# Altium PCB Bran_Main_Assay_PCB_v2.PcbDoc (part 5 of 15) (continued)
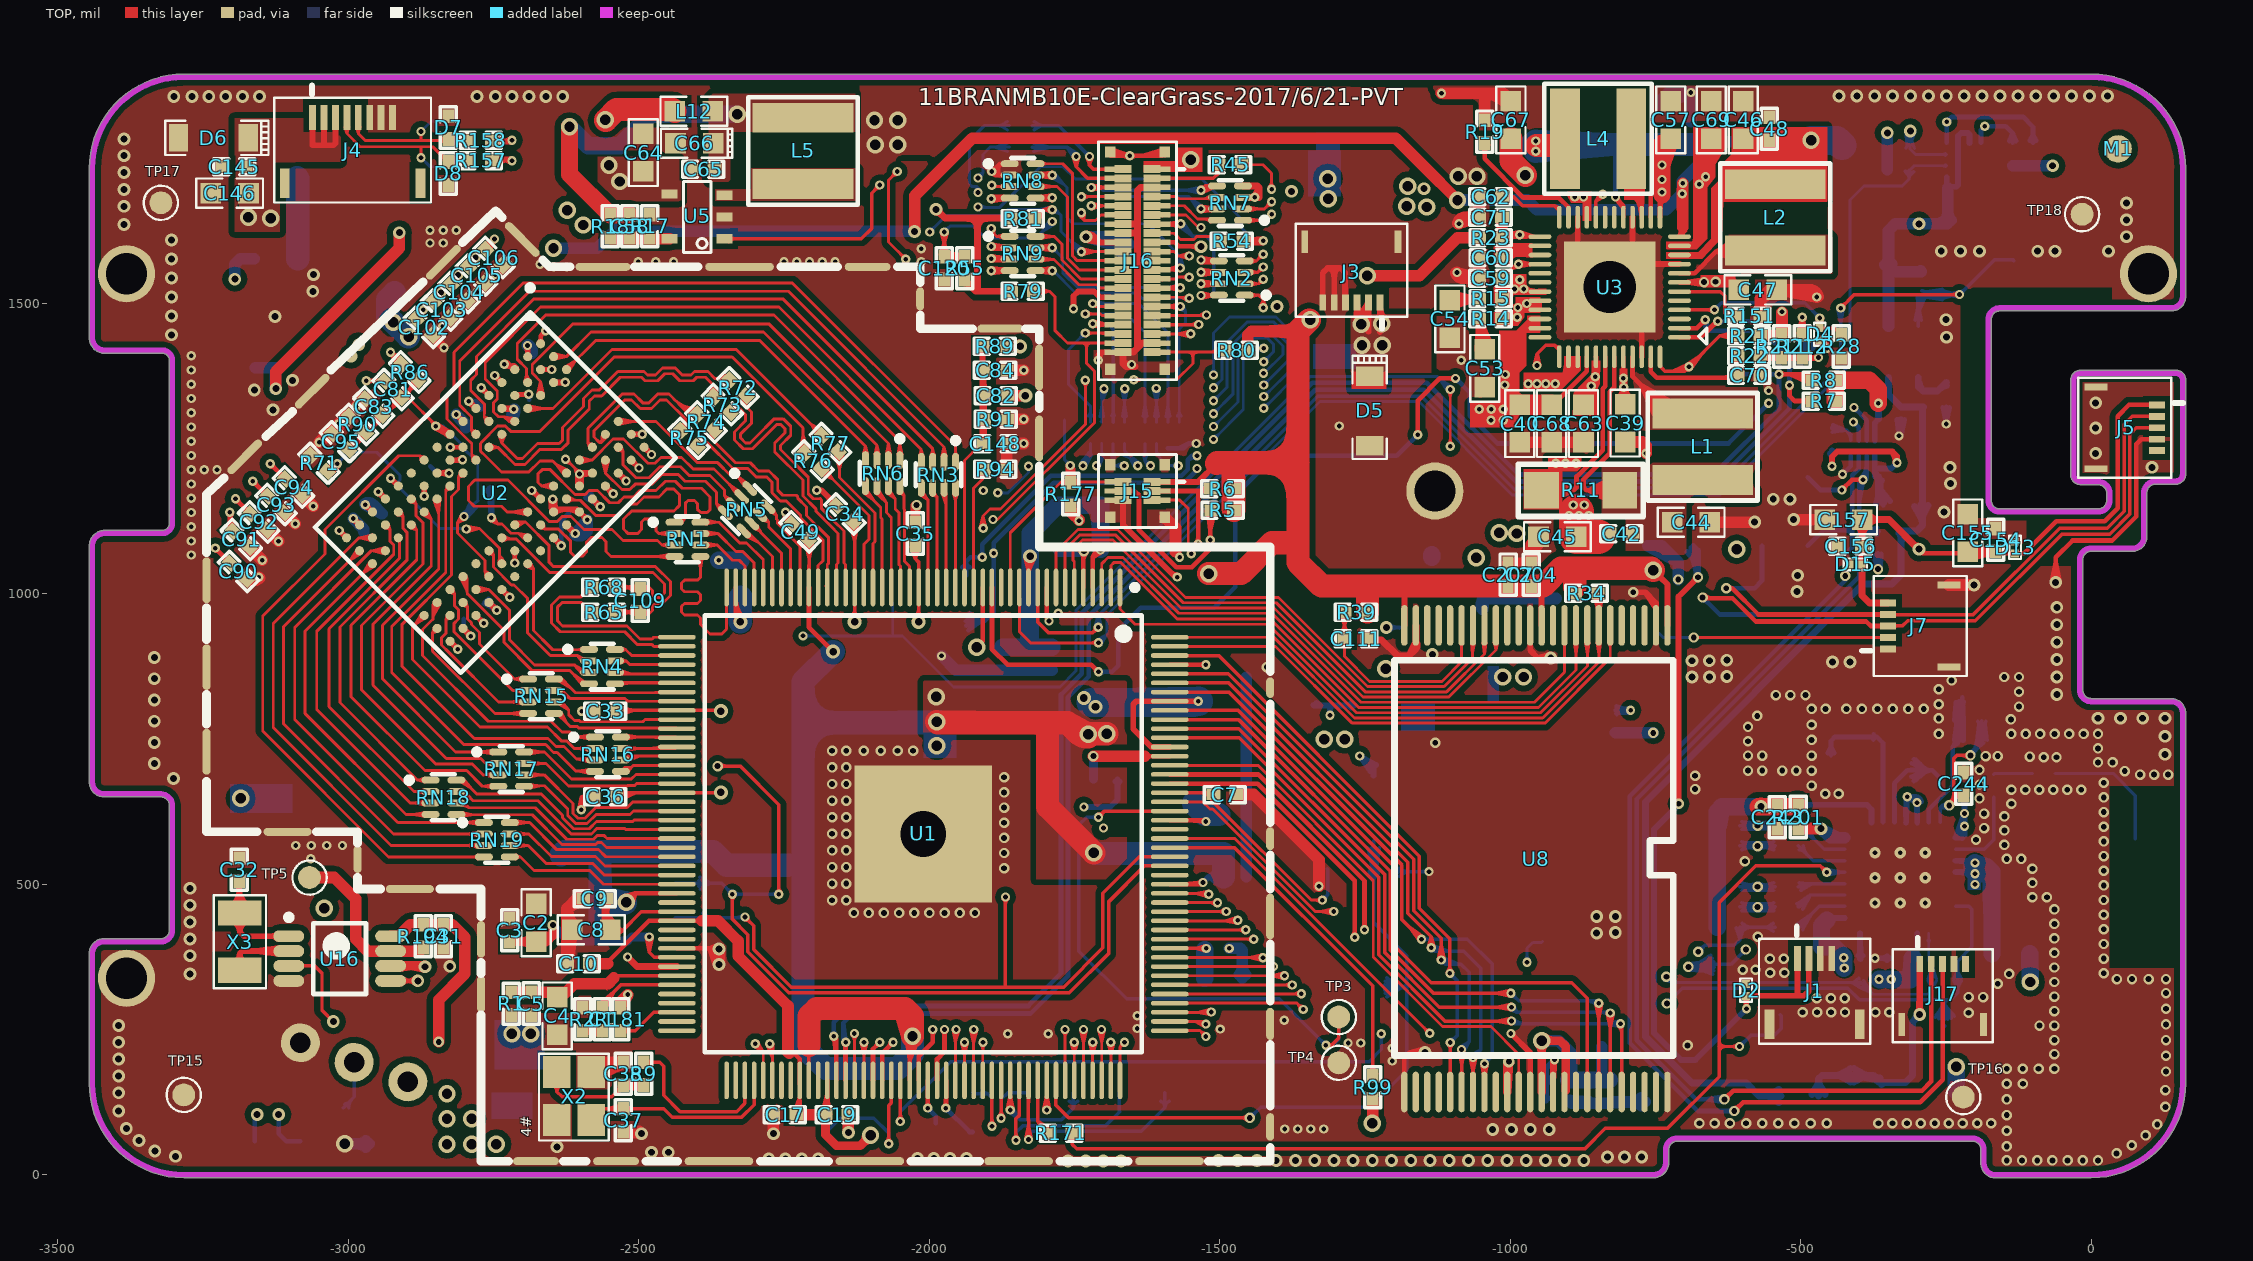
[diagram p0: TOP view]
## Nets (pads, with @x,y where several pads share a name; then routed paths per layer and width w, separated by ;. In a path a pad name is that pad's centre, name@x,y a point inside that pad or via, vN(x,y) a via of type N, cw(c..) or ccw(c..) an arc to the next point about the centre after c; other vN are vias at no path point) (continued)
  TOP w5.53: U2.G8@-2648.07,1143.07 U2.G8@-2646.84,1141.14
  TOP w6: v1@-2603.98,628.87 -2599.02,650.46 ; v1@-2603.88,629.48 -2599.43,637.25 ; v1@-2603.75,629.92 -2598.6,637.25 ; v1@-2602.55,631.84 ccw(c-2611.09,640.38) -2599.02,640.38 ccw(c-2586.94,640.38) v1@-2595.48,631.84 ; v1@-2599.68,792.94 C33.1@-2582.31,791.8 ; v1@-2599.66,792.93 C33.1@-2582.64,791.95 ; v1@-2598.67,802.83 C33.1@-2588.06,800.38 ; v1@-2598.35,792.84 C33.1@-2588.06,795.96 ; v1@-2598.06,802.79 C33.1@-2580.2,798.17 ; v1@-2597.58,802.71 -2590.23,798.54 ; v1@-2597.38,792.99 C33.1@-2589.17,797.72 ; v1@-2597.27,802.63 C33.1@-2589.17,797.72 ; v1@-2596.77,793.19 -2590.23,798.54 ; v1@-2596.66,802.41 C33.1@-2588.06,795.96 ; v1@-2596.39,793.37 C33.1@-2588.06,800.38 ; v1@-2596.29,802.24 C33.1@-2581.63,791.58 ; v1@-2596.23,793.45 C33.1@-2580.52,804.98 ; v1@-2595.52,801.73 ccw(c-2590.57,807.93) -2588.51,800.26 ccw(c-2586.22,791.73) v1@-2594.16,795.62 ; v1@-2595.11,794.29 cw(c-2585.74,784.92) C33.1@-2585.74,798.17 ; v1@-2595.11,801.36 ccw(c-2587.41,809.07) C33.1@-2587.41,798.17 ; v1@-2594.74,794.7 cw(c-2590.9,791.62) -2589.63,796.38 cw(c-2587.76,803.32) v1@-2594.18,800.08 ; v1@-2594.28,629.92 -2599.43,637.25 ; v1@-2594.16,629.48 -2598.6,637.25 ; v1@-2594.05,628.87 -2599.02,650.46 ; C36.1@-2584.66,646.16 ccw(c-2596.34,634.48) -2596.34,651 ccw(c-2596.34,667.52) C36.1@-2584.66,655.84 ; C33.1@-2584.64,793.33 ccw(c-2596.32,781.65) -2596.32,798.17 ccw(c-2596.32,814.69) C33.1@-2584.64,803.01 ; C36.1@-2582.03,644.53 -2592.07,651.56 ; C36.1@-2582.03,657.48 -2592.07,650.44 ; C36.1@-2581.43,644.35 -2592.07,650.44 ; C36.1@-2581.43,657.65 -2592.07,651.56 ; C36.1@-2581.08,644.28 -2598.47,651 ; C36.1@-2581.08,657.73 -2598.47,651 ; C36.1@-2580.22,651 -2598.47,651 ; v1@-2599.89,802.67 C33.1@-2581.56,804.78 ; v1@-2599.89,802.67 C33.1@-2581.75,804.73 ; v1@-2599.88,802.67 C33.1@-2580.84,804.94 ; v1@-2599.88,802.67 C33.1@-2582.01,804.65 ; v1@-2599.89,802.67 C33.1@-2581.41,804.82 ; v1@-2599.88,802.67 C33.1@-2581.07,804.9 ; v1@-2599.86,802.68 C33.1@-2582.6,804.42 ; v1@-2599.87,802.68 C33.1@-2580.52,804.98 ; v1@-2599.86,802.68 C33.1@-2582.55,804.44 ; v1@-2599.71,792.94 C33.1@-2581.63,791.58 ; v1@-2599.7,792.94 C33.1@-2580.71,791.39 ; v1@-2599.71,792.94 C33.1@-2581.55,791.56 ; v1@-2599.7,792.94 C33.1@-2580.71,791.39 ; v1@-2599.71,792.94 C33.1@-2581.41,791.52 ; v1@-2599.7,792.94 C33.1@-2582.01,791.7 ; v1@-2599.71,792.94 C33.1@-2581.07,791.45 ; -2599.43,637.25 v1(-2599.02,628.31) ; v1(-2599.02,628.31) -2598.6,637.25 ; v1(-2599.02,628.31) -2599.02,650.46 ; -2599.02,650.46 -2598.47,651 ; v1(-2598.65,797.83) C33.1@-2579.8,798.17 ; v1(-2598.65,797.83) C33.1@-2581.56,804.78 ; v1(-2598.65,797.83) C33.1@-2581.63,791.58 ; v1(-2598.65,797.83) C33.1@-2579.8,798.17 ; v1(-2598.65,797.83) C33.1@-2582.6,804.42 ; v1(-2598.65,797.83) C33.1@-2580.71,791.39 ; v1(-2598.65,797.83) C33.1@-2579.8,798.17 ; v1(-2598.65,797.83) C33.1@-2580.52,804.98 ; v1(-2598.65,797.83) C33.1@-2582.64,791.95 ; v1(-2598.65,797.83) C33.1@-2579.8,798.17 ; v1(-2598.65,797.83) C33.1@-2581.75,804.73 ; v1(-2598.65,797.83) C33.1@-2581.55,791.56 ; v1(-2598.65,797.83) C33.1@-2579.8,798.17 ; v1(-2598.65,797.83) C33.1@-2580.84,804.94 ; v1(-2598.65,797.83) C33.1@-2582.31,791.8 ; v1(-2598.65,797.83) C33.1@-2579.8,798.17 ; v1(-2598.65,797.83) C33.1@-2582.55,804.44 ; v1(-2598.65,797.83) C33.1@-2580.71,791.39 ; v1(-2598.65,797.83) C33.1@-2579.8,798.17 ; v1(-2598.65,797.83) C33.1@-2582.01,804.65 ; v1(-2598.65,797.83) C33.1@-2581.41,791.52 ; v1(-2598.65,797.83) C33.1@-2579.8,798.17 ; v1(-2598.65,797.83) C33.1@-2581.41,804.82 ; v1(-2598.65,797.83) C33.1@-2582.01,791.7 ; v1(-2598.65,797.83) C33.1@-2579.8,798.17 ; v1(-2598.65,797.83) C33.1@-2581.07,804.9 ; v1(-2598.65,797.83) C33.1@-2581.07,791.45 ; v1(-2598.65,797.83) -2590.23,798.54 ; v1(-2598.65,797.83) C33.1@-2589.17,797.72 ; v1(-2598.65,797.83) C33.1@-2588.06,795.96 ; v1(-2598.65,797.83) C33.1@-2588.06,800.38 ; v1(-2598.65,797.83) C33.1@-2580.2,798.17 ; v1(-2598.65,797.83) v1@-2598.3,798.17 ; -2598.47,651 C36.1@-2579.82,651 ; v1@-2598.3,798.17 C33.1@-2579.8,798.17 ; v1@-2598.3,798.17 C33.1@-2581.07,804.9 ; v1@-2598.3,798.17 C33.1@-2581.07,791.45 ; v1@-2598.3,798.17 C33.1@-2580.2,798.17 ; v1@-2598.07,802.79 C33.1@-2579.8,798.17 ; v1@-2598.07,802.79 C33.1@-2579.8,798.17 ; v1@-2598.07,802.79 C33.1@-2579.8,798.17 ; v1@-2598.07,802.79 C33.1@-2579.8,798.17 ; v1@-2598.07,802.79 C33.1@-2579.8,798.17 ; v1@-2598.07,802.79 C33.1@-2579.8,798.17 ; v1@-2598.07,802.79 C33.1@-2579.8,798.17 ; v1@-2598.07,802.79 C33.1@-2579.8,798.17 ; v1@-2598.07,802.79 C33.1@-2579.8,798.17 ; v1@-2597.89,792.88 C33.1@-2579.8,798.17 ; v1@-2597.89,792.88 C33.1@-2579.8,798.17 ; v1@-2597.89,792.88 C33.1@-2579.8,798.17 ; v1@-2597.89,792.88 C33.1@-2579.8,798.17 ; v1@-2597.89,792.88 C33.1@-2579.8,798.17 ; v1@-2597.89,792.88 C33.1@-2579.8,798.17 ; v1@-2597.89,792.88 C33.1@-2579.8,798.17 ; v1@-2597.89,792.88 C33.1@-2579.8,798.17 ; v1@-2597.89,792.88 C33.1@-2579.8,798.17 ; v1@-2597.88,792.89 C33.1@-2580.2,798.17 ; v1@-2596.35,802.27 C33.1@-2580.71,791.39 ; v1@-2596.35,802.27 C33.1@-2580.71,791.39 ; v1@-2596.33,802.26 C33.1@-2581.07,791.45 ; v1@-2596.25,802.22 C33.1@-2582.64,791.95 ; v1@-2596.26,802.22 C33.1@-2582.31,791.8 ; v1@-2596.27,802.23 C33.1@-2582.01,791.7 ; v1@-2596.15,793.49 C33.1@-2581.56,804.78 ; v1@-2596.14,793.5 C33.1@-2581.75,804.73 ; v1@-2596.12,793.51 C33.1@-2582.01,804.65 ; v1@-2596.16,793.49 C33.1@-2581.41,804.82 ; v1@-2592.85,798.24 C33.1@-2579.8,798.17 ; v1@-2592.85,798.24 C33.1@-2581.56,804.78 ; v1@-2592.85,798.24 C33.1@-2581.63,791.58 ; v1@-2592.85,799.63 C33.1@-2579.8,798.17 ; v1@-2592.85,799.63 C33.1@-2580.84,804.94 ; v1@-2592.85,799.63 C33.1@-2582.31,791.8 ; v1@-2592.62,800.26 C33.1@-2579.8,798.17 ; v1@-2592.62,800.26 C33.1@-2580.52,804.98 ; v1@-2592.62,800.26 C33.1@-2582.64,791.95 ; v1@-2592.47,797.98 C33.1@-2579.8,798.17 ; v1@-2592.47,797.98 C33.1@-2581.75,804.73 ; v1@-2592.47,797.98 C33.1@-2581.55,791.56 ; v1@-2592.37,796.4 C33.1@-2579.8,798.17 ; v1@-2592.37,796.4 C33.1@-2582.55,804.44 ; v1@-2592.37,796.4 C33.1@-2580.71,791.39 ; v1@-2592.18,796.38 C33.1@-2579.8,798.17 ; v1@-2592.18,796.38 C33.1@-2582.6,804.42 ; v1@-2592.18,796.38 C33.1@-2580.71,791.39 ; -2592.07,650.44 C36.1@-2579.82,651 ; -2592.07,651.56 C36.1@-2579.82,651 ; v1@-2592.05,797.61 C33.1@-2579.8,798.17 ; v1@-2592.05,797.61 C33.1@-2582.01,804.65 ; v1@-2592.05,797.61 C33.1@-2581.41,791.52 ; v1@-2592.05,798.73 C33.1@-2579.8,798.17 ; v1@-2592.05,798.73 C33.1@-2581.41,804.82 ; v1@-2592.05,798.73 C33.1@-2582.01,791.7 ; C33.1@-2582.6,804.42 -2596.1,793.52 C33.1@-2582.55,804.44 ; C33.1@-2581.55,791.56 -2596.3,802.24 C33.1@-2581.41,791.52 ; C33.1@-2581.07,804.9 -2596.18,793.47 C33.1@-2580.84,804.94
  TOP w8: U1.79@-2434.64,390.07 -2378.69,390.07 ; U1.79@-2406.09,390.07 -2378.69,390.07 ; v3@-2368.7,363.82 v3@-2361.04,378.77 ; v3@-2368.41,364.69 v3@-2356.07,385.19 ; v3@-2368.31,359.07 -2378.69,390.07 ; v3@-2367.92,365.63 ccw(c-2378.72,372.22) -2369.78,381.16 ; v3@-2366.89,366.94 ccw(c-2372.8,372.85) -2364.45,372.85 ; v3@-2364.45,366.05 cw(c-2339,366.05) v3@-2357,384.04 ; -2364.45,375.59 cw(c-2357.25,375.59) v3@-2359.63,382.39 ; v3@-2363.84,382.25 -2378.69,390.07 ; v3@-2362.96,395.92 -2378.69,390.07 ; -2362.59,373.96 cw(c-2369.78,366.77) v3@-2361.09,361.47 ; v3@-2359.43,368.53 cw(c-2356.63,375.83) -2364.45,375.83 ; v3@-2356.35,366.2 -2378.69,390.07 ; v3@-2355.47,364.65 v3@-2368.9,388.19 ; v3@-2355.42,364.53 v3@-2368.92,389.54 ; v3@-2355.03,363.08 v3@-2361.04,378.77 ; v3@-2354.98,361.28 v3@-2356.07,385.19 ; v1@-1892.16,1723.01 cw(c-1891.6,1715.55) -1886.3,1720.84 ; v1@-1888.48,1726.7 ccw(c-1881.01,1726.13) -1886.3,1720.84 ; v1@-1888.48,1727.38 ccw(c-1881.3,1728.05) -1881.3,1720.84 ; RN8.1@-1872.01,1738.7 ccw(c-1875.41,1731.11) -1881.3,1736.99 ; RN8.2@-1871.19,1720.84 -1881.3,1720.84 ; RN8.2@-1861.69,1720.84 -1881.3,1720.84 ; RN8.1@-1861.69,1740.53 -1877.76,1740.53 ; J16.45@-1690.72,1758.1 ccw(c-1680.81,1768) J16.45@-1680.81,1753.99 ; J16.45@-1689.41,1754.83 -1670.13,1755.13 ; J16.45@-1689.31,1754.81 v1(-1655.3,1753.99) ; J16.45@-1688.78,1760.63 J16.45@-1682.14,1753.99 ; J16.45@-1687.45,1765.12 v1(-1655.3,1753.99) ; J16.45@-1687.29,1754.77 v1(-1655.3,1753.99) ; J16.45@-1686.92,1759.7 v1(-1655.3,1753.99) ; J16.45@-1686.76,1764.89 -1670.13,1755.13 ; J16.45@-1685.98,1764.61 v1(-1655.3,1753.99) ; J16.45@-1685.07,1763.75 ccw(c-1661.5,1787.32) v1@-1661.5,1753.99 ; -1678.16,1758.46 v1(-1655.3,1753.99) ; -1668.79,1755.94 ccw(c-1664.87,1770.57) v1@-1657.3,1757.46 ; -1664.87,1755.43 v1(-1655.3,1753.99) ; v1@-1658.13,1751.16 ccw(c-1664.96,1744.34) -1664.96,1753.99 ccw(c-1664.96,1763.65) v1@-1658.13,1756.82 ; v1@-1652.47,1751.16 cw(c-1645.64,1744.34) -1645.64,1753.99 cw(c-1645.64,1763.65) v1@-1652.47,1756.82 ; -1621.96,1753.99 ccw(c-1621.96,1787.32) J16.43@-1598.4,1763.75 ; J16.43@-1602.65,1753.99 ccw(c-1602.65,1768) J16.43@-1592.74,1758.1 ; J16.43@-1596.7,1764.89 -1613.34,1755.13 ; J16.43@-1595.9,1765.15 -1631.53,1753.99 ; J16.43@-1594.69,1760.63 -1601.32,1753.99 v1(-1655.3,1753.99) ; J16.43@-1594.2,1754.81 -1631.53,1753.99 ; J16.43@-1594.05,1754.83 -1613.34,1755.13 ; U8.25@-1182.4,142.68 -1182.4,201.45 ; U8.25@-1182.4,172.26 -1182.4,201.45 ; v3@-1151.97,205.88 ccw(c-1163.92,193.94) -1163.92,210.83 ccw(c-1163.92,227.73) v3@-1151.97,215.78 ; v3@-1149.28,204.21 -1159.54,211.41 ; v3@-1149.28,217.46 -1159.54,210.26 ; v3@-1148.66,204.03 -1159.54,210.26 ; v3@-1148.66,217.64 -1159.54,211.41 ; v3@-1147.96,203.9 -1173.02,210.83 ; v3@-1147.96,217.77 -1173.02,210.83 ; v3@-68.26,1020.69 -61.3,1054.99 v3@-54.33,1020.69 ; v3@-68.1,1021.64 -61.88,1032.52 ; v3@-67.92,1022.25 -60.72,1032.52 ; v3@-66.25,1024.94 ccw(c-78.2,1036.89) -61.3,1036.89 ccw(c-44.4,1036.89) v3@-56.35,1024.94 ; v3@-54.67,1022.25 -61.88,1032.52 ; v3@-54.49,1021.64 -60.72,1032.52 ; J5.4@104.83,1266.32 85.85,1266.32 ; J5.4@112.7,1266.32 85.85,1266.32 ; -2378.69,390.07 -2369.78,381.16 ; -2378.69,390.07 v3(-2361.94,361.99) ; -2378.69,390.07 v3(-2361.94,388.99) ; -2369.78,381.16 -2364.45,375.83 ; v3@-2368.92,361.45 -2366.51,375.49 ; v3@-2368.92,361.45 -2366.51,375.49 ; v3@-2368.92,361.45 -2366.51,375.49 ; v3@-2368.93,362.5 -2364.45,375.83 ; v3@-2368.93,362.5 -2364.45,375.83 ; v3@-2368.93,362.5 -2364.45,375.83 ; v3@-2368.93,362.5 -2364.45,375.83 ; v3@-2368.93,362.5 -2364.45,375.83 ; v3@-2368.93,362.5 -2364.45,375.83 ; v3@-2368.93,362.5 -2364.45,375.83 ; v3@-2368.93,362.5 -2364.45,375.83 ; v3@-2368.92,388.46 v3(-2361.94,361.99) ; v3@-2368.92,388.46 v3@-2355.46,364.63 ; v3@-2368.92,388.46 v3@-2368.89,361.09 ; v3@-2368.92,388.46 v3(-2361.94,361.99) ; v3@-2368.92,388.46 v3@-2355.46,364.63 ; v3@-2368.92,388.46 v3@-2368.89,361.09 ; v3@-2368.92,388.46 -2364.45,375.83 ; v3@-2368.92,388.46 -2364.45,375.83 ; v3@-2368.94,388.71 v3(-2361.94,361.99) ; v3@-2368.94,388.71 v3@-2355.45,364.61 ; v3@-2368.94,388.71 -2368.89,361.09 v3@-2368.92,389.54 ; v3@-2368.94,388.71 v3@-2364.45,363.83 ; v3@-2368.92,389.54 v3(-2361.94,361.99) ; v3@-2368.92,389.54 -2366.51,375.49 ; v3@-2368.89,361.08 v3@-2368.9,388.19 ; v3@-2368.89,362.9 v3(-2361.94,388.99) ; v3@-2368.89,362.9 v3(-2361.94,388.99) ; v3@-2368.89,362.9 v3(-2361.94,388.99) ; v3@-2368.89,362.9 v3(-2361.94,388.99) ; v3@-2368.89,362.9 v3(-2361.94,388.99) ; v3@-2368.9,388.19 v3(-2361.94,361.99) ; v3@-2368.9,388.19 v3@-2363.58,372.63 ; v3@-2368.4,364.71 v3@-2355.65,385.93 ; v3@-2368.4,364.71 v3@-2355.29,386.83 ; v3@-2368.4,364.69 v3@-2355.14,387.34 ; v3@-2368.4,364.71 v3@-2355.65,385.93 ; -2366.51,375.49 v3(-2361.94,361.99) ; -2366.51,375.49 v3@-2356.07,365.79 ; -2366.51,375.49 v3(-2361.94,361.99) ; -2366.51,375.49 v3@-2356.07,365.79 ; -2366.51,375.49 v3(-2361.94,361.99) ; -2366.51,375.49 v3@-2356.07,365.79 ; -2366.51,375.49 v3(-2361.94,388.99) ; -2366.51,375.49 v3@-2356.07,385.19 ; v3@-2364.45,363.83 v3(-2361.94,388.99) ; v3@-2364.45,363.83 v3@-2355.14,387.34 ; v3@-2364.45,363.83 -2364.45,375.83 ; -2364.45,375.83 v3(-2361.94,361.99) ; -2364.45,375.83 v3@-2355.58,364.91 ; -2364.45,375.83 v3(-2361.94,361.99) ; -2364.45,375.83 v3@-2355.58,364.91 ; -2364.45,375.83 v3(-2361.94,361.99) ; -2364.45,375.83 v3@-2355.58,364.91 ; -2364.45,375.83 v3(-2361.94,361.99) ; -2364.45,375.83 v3@-2355.58,364.91 ; -2364.45,375.83 v3(-2361.94,361.99) ; -2364.45,375.83 v3@-2355.58,364.91 ; -2364.45,375.83 v3(-2361.94,361.99) ; -2364.45,375.83 v3@-2355.58,364.91 ; -2364.45,375.83 v3(-2361.94,361.99) ; -2364.45,375.83 v3@-2355.58,364.91 ; -2364.45,375.83 v3(-2361.94,361.99) ; -2364.45,375.83 v3@-2355.58,364.91 ; -2364.45,375.83 v3(-2361.94,388.99) ; -2364.45,375.83 v3@-2355.65,385.93 ; -2364.45,375.83 v3(-2361.94,388.99) ; -2364.45,375.83 v3@-2355.65,385.93 ; v3@-2363.58,372.63 v3(-2361.94,388.99) ; v3@-2363.58,372.63 v3@-2355.29,386.83 ; v3(-2361.94,361.99) v3@-2355.65,385.93 ; v3(-2361.94,361.99) v3@-2356.07,385.19 ; v3(-2361.94,361.99) v3@-2355.29,386.83 ; v3(-2361.94,361.99) v3@-2355.14,387.34 ; v3(-2361.94,361.99) v3@-2355.65,385.93 ; v3(-2361.94,361.99) v3(-2361.94,388.99) ; v3(-2361.94,361.99) v3(-2361.94,388.99) ; v3(-2361.94,361.99) v3(-2361.94,388.99) ; v3(-2361.94,361.99) v3(-2361.94,388.99) ; v3(-2361.94,361.99) v3(-2361.94,388.99) ; v3(-2361.94,361.99) v3@-2361.04,378.77 ; v3(-2361.94,388.99) v3@-2355,362.9 ; v3(-2361.94,388.99) v3@-2355,362.9 ; v3(-2361.94,388.99) v3@-2355,362.9 ; v3(-2361.94,388.99) v3@-2355,362.9 ; v3(-2361.94,388.99) v3@-2355,362.9 ; v3@-2355.65,385.93 -2354.99,361.19 v3@-2355.65,385.93 ; v3@-2355.29,386.83 -2355,361.12 v3@-2355.14,387.34 ; v1(-1892.46,1727) -1881.3,1720.84 ; v1(-1892.46,1727) -1881.3,1736.99 ; v1(-1892.46,1727) -1881.3,1720.84 ; v1(-1892.46,1727) -1886.3,1720.84 ; -1886.3,1720.84 -1881.3,1720.84 ; -1881.3,1720.84 -1881.3,1727 -1881.3,1736.99 ; -1881.3,1736.99 RN8.1@-1871.19,1740.53 ; -1881.3,1736.99 -1877.76,1740.53 ; -1877.76,1740.53 RN8.1@-1871.19,1740.53 ; -1877.76,1740.53 RN8.1@-1871.19,1740.53 ; J16.45@-1682.14,1753.99 v1(-1655.3,1753.99) ; J16.45@-1682.14,1753.99 v1(-1655.3,1753.99) ; -1670.13,1755.13 -1688.78,1760.04 v1(-1655.3,1753.99) ; -1631.53,1753.99 -1594.69,1760.04 -1613.34,1755.13 ; -1182.4,201.45 -1173.02,210.83 ; -1173.02,210.83 v3(-1147.02,210.83) ; -1159.54,210.26 v3(-1147.02,210.83) ; -1159.54,211.41 v3(-1147.02,210.83) ; -61.88,1032.52 v3(-61.3,1019.99) ; v3(-61.3,1019.99) -60.72,1032.52 ; v3(-61.3,1019.99) -61.3,1062.99 -32.29,1092 36.23,1092 77.54,1133.3 77.54,1258 85.85,1266.32 ; v3@-2366.89,384.04 cw(c-2372.8,378.14) -2364.45,378.14 ccw(c-2372.8,378.14) v3@-2366.89,384.04
  TOP w10: -2813.02,1230.23 ccw(c-2813.02,1240.51) v1@-2805.75,1233.24 ; -2726.5,1319.32 cw(c-2726.5,1306.98) v1@-2717.77,1315.71 ; v1@-2720.32,1317.67 U2.E2@-2735.92,1319.32 ; v1@-2717.14,1319.32 U2.E2@-2735.92,1319.32 ; v1@-2693.82,1425.47 cw(c-2699.71,1419.58) -2691.38,1419.58 ; U2.G8@-2644.81,1139.11 cw(c-2628.77,1123.07) -2628.77,1145.75 ; -2634.64,1144.98 U2.G8@-2646.84,1141.14 -2642.23,1145.75 -2606.9,1145.75 U2.F9@-2602.3,1141.15 ; U2.G9@-2621.69,1118.87 ccw(c-2610.82,1118.87) -2618.51,1111.18 ; -2620.34,1145.75 cw(c-2620.34,1123.11) U2.F9@-2604.33,1139.12 ; -2617.66,1110.33 ccw(c-2609.43,1118.56) v1@-2609.43,1106.92 ; -2614.48,1144.98 U2.F9@-2602.3,1141.15 ; -2591.05,1207.95 ccw(c-2591.05,1195.31) -2599.99,1204.25 U2.D8@-2580.03,1207.95 ; v1@-2244.66,1140.59 ccw(c-2221.75,1138.73) C49.2@-2238,1122.48 ; C49.2@-2242.56,1122.2 ccw(c-2254.25,1122.2) -2245.99,1130.47 ccw(c-2237.72,1138.74) C49.2@-2237.72,1127.05 ; C49.2@-2242.51,1128.88 v1(-2247.65,1140.83) ; C34.1@-2165.58,1153.23 ccw(c-2177.27,1153.23) -2169.01,1161.5 ccw(c-2160.74,1169.77) C34.1@-2160.74,1158.08 ; C34.1@-2161.02,1153.51 -2185.81,1178.31 ; C34.1@-2160.74,1153.23 -2185.81,1178.31 ; v1(-1751.94,1490.99) -1751.94,1512.74 -1743.94,1520.74 -1716.41,1520.74 -1706.3,1510.63 J16.30@-1689.96,1510.63 ; v1@-1706.72,1403.22 cw(c-1696.11,1407.93) -1704.32,1416.14 ; J16.42@-1694.09,1416.14 -1704.32,1416.14 ; J16.42@-1689.96,1416.14 -1704.32,1416.14 ; J15.6@-1666.73,1161.42 -1666.73,1119.04 -1576.68,1028.99 v1(-1573.3,1028.99) ; -1584.2,1036.51 ccw(c-1573.3,1047.41) v1@-1573.3,1031.99 ; J3.6@-1322.83,1501.97 -1322.83,1552.63 -1314.46,1561 -1303.15,1561 ; J3.6@-1322.83,1509.84 -1322.83,1545.75 ; J3.5@-1303.15,1501.97 -1303.15,1561 ; J3.5@-1303.15,1509.84 -1303.15,1545.75 ; -1284.45,1545.77 J3.4@-1283.46,1509.84 ; J3.4@-1283.46,1501.97 -1284.45,1502.95 -1284.45,1552.98 -1292.46,1561 -1303.15,1561 ; v1(-999.02,243.31) -965.87,210.16 U8.36@-965.87,142.68 ; U8.36@-965.87,172.26 -965.87,207.68 ; U8.13@-965.87,916.24 -965.87,903.24 ; U8.13@-965.65,946.05 U8.13@-965.87,945.83 -965.87,903.24 ; v3@-934.69,885.58 ccw(c-944.93,875.34) -944.93,889.83 ccw(c-944.93,904.31) v3@-934.69,894.07 ; v3@-931.27,883.88 -952.45,889.83 ; v3@-931.27,895.77 -952.45,889.83 ; U3.49@-884.13,1583.43 U3.22@-884.13,1648.39 ; U3.49@-884.13,1598.7 U3.22@-884.13,1632.64 ; U3.49@-789.65,1598.7 U3.16@-789.65,1632.64 ; U3.16@-789.65,1648.39 -789.65,1567.68 U3.9@-708.94,1567.68 ; v2(-788.45,1002.74) -767.52,1002.74 ; v2@-785.62,999.91 cw(c-778.79,993.08) -778.79,1002.74 cw(c-778.79,1012.4) v2@-785.62,1005.57 ; U3.46@-773.9,1408.23 U3.49@-773.9,1473.19 ; U3.46@-773.9,1423.98 U3.49@-773.9,1457.91 ; U3.49@-758.62,1567.68 U3.9@-724.69,1567.68 ; -756.5,991.73 cw(c-772.81,975.41) U8.2@-749.74,975.41 ; -752.83,986.95 U8.2@-749.33,975.41 ; U8.2@-749.33,945.83 -749.33,984.56 ; D4.1@-467.46,1440.01 D4.1@-461.32,1440.01 ; v1@-457.76,1424.02 ccw(c-472.11,1429.22) D4.1@-461.32,1440.01 ; -457.08,1431.88 v1(-454.94,1422.99) ; U2.T9@-2825.01,918.44 v1(-2811.57,904.99) ; U2.T9@-2825.01,918.44 v1(-2811.57,904.99) ; U2.T9@-2825.01,918.44 v1(-2811.57,904.99) ; U2.T9@-2825.01,918.44 v1(-2811.57,904.99) ; U2.P9@-2780.47,962.98 v1(-2767.03,949.53) ; U2.P9@-2780.47,962.98 v1(-2767.03,949.53) ; U2.P9@-2780.47,962.98 v1(-2767.03,949.53) ; U2.P9@-2780.47,962.98 v1(-2767.03,949.53) ; U2.M9@-2735.93,1007.52 v1(-2722.49,994.07) ; U2.M9@-2735.93,1007.52 v1(-2722.49,994.07) ; U2.M9@-2735.93,1007.52 v1(-2722.49,994.07) ; U2.M9@-2735.93,1007.52 v1(-2722.49,994.07) ; U2.E2@-2735.92,1319.32 v1(-2715.65,1317.83) U2.E2@-2735.92,1319.32 ; U2.G9@-2624.57,1117.24 v1(-2609.43,1103.92) ; U2.G9@-2624.57,1117.24 U2.G9@-2624.57,1118.87 ; U2.G9@-2624.57,1117.24 v1@-2611.25,1103.92 ; U2.G9@-2624.57,1118.87 v1(-2609.43,1103.92) ; U2.G9@-2624.57,1118.87 v1@-2611.25,1103.92 ; v1@-2611.25,1103.92 v1(-2609.43,1103.92) ; U2.F9@-2602.3,1141.15 v1(-2588.86,1127.7) ; U2.F9@-2602.3,1141.15 v1(-2588.86,1127.7) ; U2.F9@-2602.3,1141.15 v1(-2588.86,1127.7) ; U2.F9@-2602.3,1141.15 v1(-2588.86,1127.7) ; v1(-2602.11,1206.37) -2591.17,1207.95 ; v1(-2602.11,1206.37) U2.D8@-2580.03,1207.95 ; v1(-2602.11,1206.37) U2.D8@-2580.03,1207.95 ; v1(-2602.11,1206.37) -2591.17,1207.95 ; v1(-2602.11,1206.37) U2.D8@-2580.03,1207.95 ; v1(-2602.11,1206.37) U2.D8@-2580.03,1207.95 ; v1(-2602.11,1206.37) U2.D8@-2580.03,1207.95 ; -2591.17,1207.95 U2.D8@-2580.03,1207.95 ; -2591.17,1207.95 U2.D8@-2580.03,1207.95 ; U2.D8@-2580.03,1207.95 -2601.46,1207.95 U2.D8@-2580.03,1207.95 ; U2.B9@-2513.22,1230.23 v1(-2499.78,1216.78) ; U2.B9@-2513.22,1230.23 v1(-2499.78,1216.78) ; U2.B9@-2513.22,1230.23 v1(-2499.78,1216.78) ; U2.B9@-2513.22,1230.23 v1(-2499.78,1216.78) ; U2.A9@-2490.95,1252.5 v1(-2478.36,1239.91) ; U2.A9@-2490.95,1252.5 v1(-2478.36,1239.91) ; U2.A9@-2490.95,1252.5 v1(-2478.36,1239.91) ; U2.A9@-2490.95,1252.5 v1(-2478.36,1239.91) ; -2247.65,1132.13 v1(-2247.65,1140.83) ; -2247.65,1132.13 v1(-2247.65,1140.83) ; -2247.65,1132.13 v1(-2247.65,1140.83) ; -2247.65,1132.13 v1(-2247.65,1140.83) ; -2247.65,1132.13 C49.2@-2237.72,1122.2 ; -2247.65,1132.13 C49.2@-2237.72,1122.2 ; -2247.65,1132.13 C49.2@-2238,1122.48 ; -2247.65,1132.13 v1(-2247.65,1140.83) ; v1(-2247.65,1140.83) -2243.95,1132.78 C49.2@-2237.72,1122.2 ; v1(-2247.65,1140.83) C49.2@-2237.72,1122.2 ; v1(-2247.65,1140.83) C49.2@-2237.72,1122.2 ; v1(-2247.65,1140.83) C49.2@-2237.72,1122.2 ; v1(-2247.65,1140.83) C49.2@-2238,1122.48 ; v1(-2247.65,1140.83) C49.2@-2237.72,1122.2 ; v1(-2194.02,1178.31) -2185.81,1178.31 ; v1(-2194.02,1178.31) -2185.81,1178.31 ; v1(-2194.02,1178.31) -2185.81,1178.31 ; v1(-1709.46,1402) -1709.46,1411 ; v1(-1709.46,1402) -1704.32,1416.14 ; v1(-1709.46,1402) -1709.46,1411 ; -1709.46,1411 -1704.32,1416.14 ; -965.87,903.24 -952.45,889.83 ; -952.45,889.83 v3(-930.45,889.83) -952.45,889.83 ; -767.52,1002.74 U8.2@-749.33,975.41 ; -767.52,1002.74 -749.33,984.56 ; U8.2@-749.33,975.41 -749.33,984.56 ; U8.2@-749.33,975.41 -749.33,984.56 ; D4.1@-466.09,1440.01 v1(-454.94,1422.99) ; D4.1@-466.09,1440.01 D4.1@-461.32,1440.01 ; D4.1@-466.09,1440.01 -451.3,1429.99 D4.1@-461.32,1440.01 ; D4.1@-466.09,1440.01 D4.1@-461.32,1440.01 ; D4.1@-461.32,1440.01 v1(-454.94,1422.99) ; v1(-3015.77,1109.18) U2.T1@-3003.17,1096.6 v1(-3015.77,1109.18) ; v1(-2970.84,1153.34) U2.P1@-2958.63,1141.14 v1(-2970.84,1153.34) ; v1(-2927.38,1198.96) U2.M1@-2914.09,1185.68 v1(-2927.38,1198.96) ; v1(-2869.55,1168.04) U2.L2@-2869.55,1185.69 v1(-2869.55,1168.04) ; U2.J2@-2825.01,1230.23 v1(-2803.63,1231.12) -2804.52,1230.23 U2.J2@-2825.01,1230.23 ; v1(-2814.61,1308.9) U2.G1@-2802.74,1297.04 v1(-2814.61,1308.9) ; v1(-2771.47,1354.86) U2.E1@-2758.19,1341.58 v1(-2771.47,1354.86) ; v1(-2748.15,1376.07) U2.D1@-2735.92,1363.85 v1(-2748.15,1376.07) ; v1(-2691.7,1427.59) U2.B1@-2691.38,1408.39 -2691.38,1427.27 v1(-2691.7,1427.59) ; U2.B3@-2646.84,1363.85 v1(-2626.65,1364.14) U2.B3@-2646.84,1363.85
  TOP w12: J16.42@-1666.73,1415 -1666.73,1397.02 ; J16.42@-1666.73,1416.14 -1649.05,1416.14 -1641.95,1423.24 ; J16.16@-1666.73,1620.87 -1642.07,1620.87 ; J16.14@-1666.73,1636.61 -1642.07,1636.61 ; v1@-1653.64,1396.06 cw(c-1661.45,1400.96) -1661.45,1391.74 ; v1@-1653.25,1396.51 cw(c-1659.71,1404.04) -1666.73,1397.02 ; v1@-1646.45,1391.74 -1651.94,1391.74 -1661.45,1391.74 ; J16.39@-1616.73,1431.89 -1633.3,1431.89 -1641.95,1423.24 ; J16.21@-1616.73,1573.62 -1636.39,1573.62 -1641.95,1568.06 ; J16.5@-1616.73,1699.61 -1636.39,1699.61 -1641.95,1694.04 -1641.95,1568.06 ; RN7.3@-1460.22,1682.58 RN7.3@-1460.06,1682.74 ; RN7.4@-1460.22,1702.27 -1434.98,1702.27 ; RN7.4@-1450.72,1702.27 -1434.98,1702.27 ; v1@-1440.97,1684.71 ccw(c-1449.96,1699.74) -1432.45,1699.74 ; -1434.66,1691.22 v1(-1439.94,1682.99) ; C111.1@-1245.79,923 C111.1@-1245.96,922.83 -1244.13,921 -1221.46,921 ; C111.1@-1243.99,922.83 -1221.46,921 ; C111.1@-1241.28,925.54 ccw(c-1230.31,936.51) -1230.31,921 ; -1169.19,899.19 ccw(c-1186.24,916.24) U8.23@-1162.13,916.24 ; -1165.36,904.19 U8.23@-1162.72,916.24 ; U8.23@-1162.65,945.76 U8.23@-1162.72,945.83 -1162.72,905.67 ; U8.23@-1162.27,916.62 cw(c-1168.44,911.39) -1162.72,905.67 ; -1666.73,1397.02 v1(-1651.94,1394.99) ; -1666.73,1397.02 -1661.45,1391.74 ; -1661.45,1391.74 v1(-1651.94,1394.99) ; -1661.45,1391.74 v1(-1651.94,1394.99) ; -1641.95,1423.24 -1641.95,1568.06 ; RN7.3@-1460.06,1682.74 -1439.94,1682.74 v1@-1432.45,1682.74 ; RN7.3@-1460.06,1682.74 v1(-1439.94,1682.99) ; v1(-1439.94,1682.99) -1450.72,1682.58 v1@-1432.45,1682.74 ; v1(-1439.94,1682.99) -1432.45,1699.74 ; -1434.98,1702.27 -1432.45,1699.74 ; v1@-1432.45,1682.74 -1432.45,1682.99 -1432.45,1699.74 ; -1221.46,921 -1193.46,893 -1175.38,893 ; -1175.38,893 U8.23@-1162.72,916.24 ; -1175.38,893 -1162.72,905.67 ; -1162.72,905.67 U8.23@-1162.72,916.24 ; -1162.72,905.67 U8.23@-1162.72,916.24
  TOP w15: C102.2@-2853.84,1443.33 C102.2@-2853.84,1442.33 ; C103.2@-2825.51,1475 v1(-2837.43,1460.92) -2825.02,1473.33 C103.2@-2823.84,1473.33 ; C104.2@-2794.12,1503.61 v1(-2807.43,1489.92) C104.2@-2793.85,1503.32 ; C105.2@-2765.51,1535 v1(-2778.43,1519.92) -2765.02,1533.33 C105.2@-2763.84,1533.33 ; C106.2@-2734.12,1563.61 v1(-2747.43,1549.92) C106.2@-2733.85,1563.32 ; -2024.97,1141.85 cw(c-2010.98,1142.04) v8@-2021.01,1151.8 ; C35.1@-2024.43,1125.97 C35.1@-2024.79,1127.93 ; C102.2@-2853.84,1442.33 v1(-2835.43,1423.92) ; C102.2@-2853.84,1442.33 v1(-2835.43,1423.92) ; v1(-2835.43,1423.92) -2854.12,1443.61 v1(-2835.43,1423.92) ; v8@-2025.07,1148.93 -2025.07,1152.84 v8(-2022.08,1152.84) ; v8@-2025.07,1148.93 -2024.43,1125.58 v8(-2022.08,1152.84) ; v8@-2025.07,1148.93 C35.1@-2024.79,1127.93 ; v8@-2025.07,1148.93 v8(-2022.08,1152.84) ; C35.1@-2024.79,1127.93 v8(-2022.08,1152.84)